# Altium PCB MainBoard_6_layers.PcbDoc (part 1 of 6) (continued)
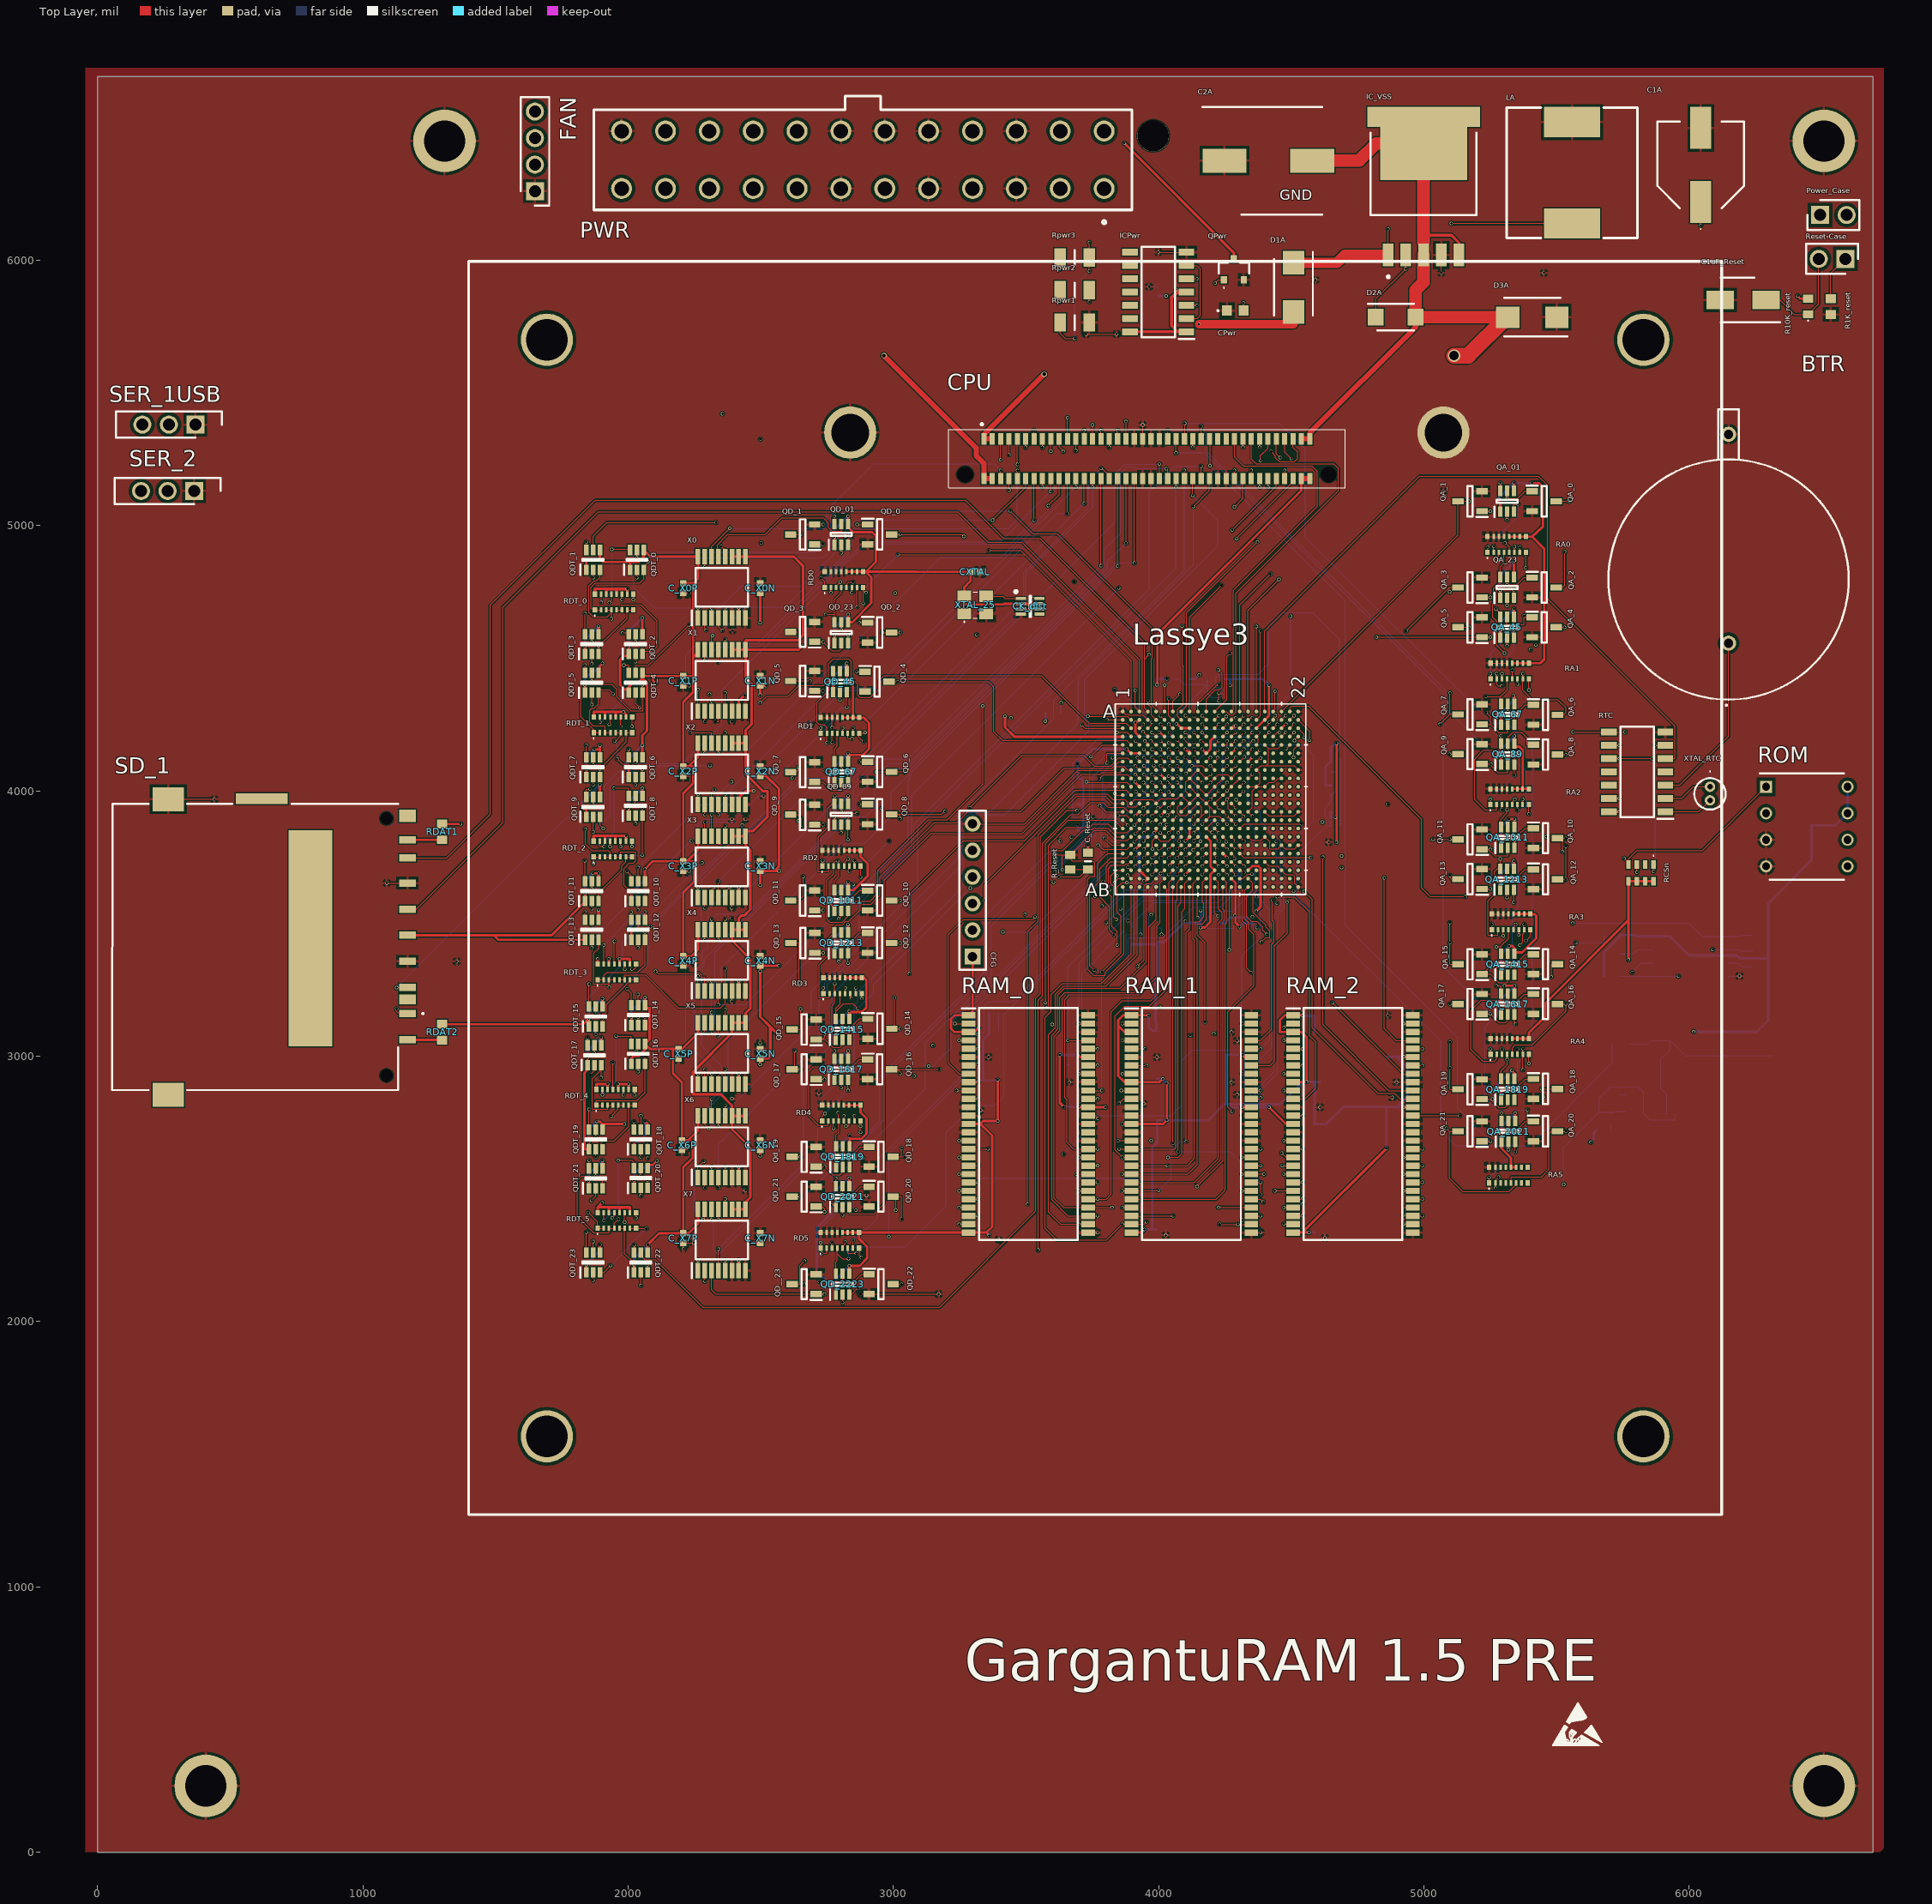
[diagram p0: Top Layer view]
## Components (designator, comment, footprint, x,y, rotation, side; value= is the part's Value field where it differs from the comment) (continued)
PWR "1-1775099-3" 1-1775099-3 2884.92,6568.3 r180 top
QA_0 "BSS159NH6327XTSA2" SOT95P260X110-3N 5453.66,5092.2 r0 top
QA_1 "BSS159NH6327XTSA2" SOT95P260X110-3N 5173.66,5092.2 r180 top
QA_01 "BSS84DWQ-7" SOT65P210X110-6N#1 5313.66,5092.2 r90 top
QA_2 "BSS159NH6327XTSA2" SOT95P260X110-3N 5453.66,4767.2 r0 top
QA_3 "BSS159NH6327XTSA2" SOT95P260X110-3N 5173.66,4767.2 r180 top
QA_4 "BSS159NH6327XTSA2" SOT95P260X110-3N 5453.66,4617.2 r0 top
QA_5 "BSS159NH6327XTSA2" SOT95P260X110-3N 5173.66,4617.2 r180 top
QA_6 "BSS159NH6327XTSA2" SOT95P260X110-3N 5458.66,4287.2 r0 top
QA_7 "BSS159NH6327XTSA2" SOT95P260X110-3N 5174.27,4288.8 r180 top
QA_8 "BSS159NH6327XTSA2" SOT95P260X110-3N 5458.66,4137.2 r0 top
QA_9 "BSS159NH6327XTSA2" SOT95P260X110-3N 5174.27,4139.03 r180 top
QA_10 "BSS159NH6327XTSA2" SOT95P260X110-3N 5458.66,3822.2 r0 top
QA_11 "BSS159NH6327XTSA2" SOT95P260X110-3N 5174.27,3817.83 r180 top
QA_12 "BSS159NH6327XTSA2" SOT95P260X110-3N 5458.66,3667.2 r0 top
QA_13 "BSS159NH6327XTSA2" SOT95P260X110-3N 5174.27,3668.05 r180 top
QA_14 "BSS159NH6327XTSA2" SOT95P260X110-3N 5458.66,3347.2 r0 top
QA_15 "BSS159NH6327XTSA2" SOT95P260X110-3N 5174.27,3346.85 r180 top
QA_16 "BSS159NH6327XTSA2" SOT95P260X110-3N 5458.66,3197.2 r0 top
QA_17 "BSS159NH6327XTSA2" SOT95P260X110-3N 5174.27,3197.08 r180 top
QA_18 "BSS159NH6327XTSA2" SOT95P260X110-3N 5458.66,2877.2 r0 top
QA_19 "BSS159NH6327XTSA2" SOT95P260X110-3N 5174.27,2875.88 r180 top
QA_20 "BSS159NH6327XTSA2" SOT95P260X110-3N 5458.66,2717.2 r0 top
QA_21 "BSS159NH6327XTSA2" SOT95P260X110-3N 5173.66,2717.2 r180 top
QA_23 "BSS84DWQ-7" SOT65P210X110-6N#1 5313.66,4767.2 r90 top
QA_45 "BSS84DWQ-7" SOT65P210X110-6N#1 5313.66,4617.2 r90 top
QA_67 "BSS84DWQ-7" SOT65P210X110-6N#1 5316.17,4288.8 r90 top
QA_89 "BSS84DWQ-7" SOT65P210X110-6N#1 5316.17,4139.03 r90 top
QA_1011 "BSS84DWQ-7" SOT65P210X110-6N#1 5316.17,3825 r90 top
QA_1213 "BSS84DWQ-7" SOT65P210X110-6N#1 5313.66,3667.2 r90 top
QA_1415 "BSS84DWQ-7" SOT65P210X110-6N#1 5316.17,3346.85 r90 top
QA_1617 "BSS84DWQ-7" SOT65P210X110-6N#1 5316.17,3197.08 r90 top
QA_1819 "BSS84DWQ-7" SOT65P210X110-6N#1 5316.17,2875.88 r90 top
QA_2021 "BSS84DWQ-7" SOT65P210X110-6N#1 5318.66,2717.2 r90 top
QD_0 "BSS159NH6327XTSA2" SOT95P260X110-3N 2948.66,4967.2 r0 top
QD_1 "BSS159NH6327XTSA2" SOT95P260X110-3N 2657.91,4967.12 r180 top
QD_01 "BSS84DWQ-7" SOT65P210X110-6N#1 2803.66,4967.2 r90 top
QD_2 "BSS159NH6327XTSA2" SOT95P260X110-3N 2948.66,4597.2 r0 top
QD_3 "BSS159NH6327XTSA2" SOT95P260X110-3N 2657.91,4599.87 r180 top
QD_4 "BSS159NH6327XTSA2" SOT95P260X110-3N 2938.66,4412.2 r0 top
QD_5 "BSS159NH6327XTSA2" SOT95P260X110-3N 2657.91,4415 r180 top
QD_6 "BSS159NH6327XTSA2" SOT95P260X110-3N 2948.66,4072.2 r0 top
QD_7 "BSS159NH6327XTSA2" SOT95P260X110-3N 2657.91,4071.37 r180 top
QD_8 "BSS159NH6327XTSA2" SOT95P260X110-3N 2948.66,3912.2 r0 top
QD_9 "BSS159NH6327XTSA2" SOT95P260X110-3N 2657.91,3910.74 r180 top
QD_10 "BSS159NH6327XTSA2" SOT95P260X110-3N 2948.66,3587.2 r0 top
QD_11 "BSS159NH6327XTSA2" SOT95P260X110-3N 2657.91,3587.4 r180 top
QD_12 "BSS159NH6327XTSA2" SOT95P260X110-3N 2948.39,3427.2 r0 top
QD_13 "BSS159NH6327XTSA2" SOT95P260X110-3N 2658.66,3427.2 r180 top
QD_14 "BSS159NH6327XTSA2" SOT95P260X110-3N 2948.94,3103.65 r0 top
QD_15 "BSS159NH6327XTSA2" SOT95P260X110-3N 2663.66,3101.05 r180 top
QD_16 "BSS159NH6327XTSA2" SOT95P260X110-3N 2948.66,2951.05 r0 top
QD_17 "BSS159NH6327XTSA2" SOT95P260X110-3N 2663.66,2951.05 r180 top
QD_18 "BSS159NH6327XTSA2" SOT95P260X110-3N 2953.66,2621.05 r0 top
Qd_19 "BSS159NH6327XTSA2" SOT95P260X110-3N 2663.66,2621.05 r180 top
QD_20 "BSS159NH6327XTSA2" SOT95P260X110-3N 2953.66,2471.05 r0 top
QD_21 "BSS159NH6327XTSA2" SOT95P260X110-3N 2663.66,2471.05 r180 top
QD_22 "BSS159NH6327XTSA2" SOT95P260X110-3N 2953.66,2141.05 r0 top
QD_23 "BSS84DWQ-7" SOT65P210X110-6N#1 2803.66,4597.2 r90 top
QD_45 "BSS84DWQ-7" SOT65P210X110-6N#1 2798.66,4412.2 r90 top
QD_67 "BSS84DWQ-7" SOT65P210X110-6N#1 2803.66,4072.2 r90 top
QD_89 "BSS84DWQ-7" SOT65P210X110-6N#1 2803.66,3912.2 r90 top
QD_1011 "BSS84DWQ-7" SOT65P210X110-6N#1 2803.66,3587.2 r90 top
QD_1213 "BSS84DWQ-7" SOT65P210X110-6N#1 2803.66,3427.2 r90 top
QD_1415 "BSS84DWQ-7" SOT65P210X110-6N#1 2808.07,3101.68 r90 top
QD_1617 "BSS84DWQ-7" SOT65P210X110-6N#1 2803.66,2951.05 r90 top
QD_1819 "BSS84DWQ-7" SOT65P210X110-6N#1 2809.25,2621.68 r90 top
QD_2021 "BSS84DWQ-7" SOT65P210X110-6N#1 2808.66,2471.05 r90 top
QD_2223 "BSS84DWQ-7" SOT65P210X110-6N#1 2808.66,2141.05 r90 top
QD__23 "BSS159NH6327XTSA2" SOT95P260X110-3N 2663.66,2141.05 r180 top
QDT_0 "BSS84DWQ-7" SOT65P210X110-6N#2 2032.91,4871.2 r90 top
QDT_1 "BSS84DWQ-7" SOT65P210X110-6N#2 1867.91,4871.2 r90 top
QDT_2 "BSS84DWQ-7" SOT65P210X110-6N#2 2027.91,4553.94 r90 top
QDT_3 "BSS84DWQ-7" SOT65P210X110-6N#2 1862.91,4553.94 r90 top
QDT_4 "BSS84DWQ-7" SOT65P210X110-6N#2 2027.91,4408.1 r90 top
QDT_5 "BSS84DWQ-7" SOT65P210X110-6N#2 1862.91,4408.1 r90 top
QDT_6 "BSS84DWQ-7" SOT65P210X110-6N#2 2027.91,4090 r90 top
QDT_7 "BSS84DWQ-7" SOT65P210X110-6N#2 1867.91,4090 r90 top
QDT_8 "BSS84DWQ-7" SOT65P210X110-6N#2 2027.91,3944.16 r90 top
QDT_9 "BSS84DWQ-7" SOT65P210X110-6N#2 1867.91,3940 r90 top
QDT_10 "BSS84DWQ-7" SOT65P210X110-6N#2 2037.91,3622.73 r90 top
QDT_11 "BSS84DWQ-7" SOT65P210X110-6N#2 1862.91,3622.73 r90 top
QDT_12 "BSS84DWQ-7" SOT65P210X110-6N#2 2037.91,3476.9 r90 top
QDT_13 "BSS84DWQ-7" SOT65P210X110-6N#2 1862.91,3476.9 r90 top
QDT_14 "BSS84DWQ-7" SOT65P210X110-6N#2 2037.91,3155 r90 top
QDT_15 "BSS84DWQ-7" SOT65P210X110-6N#2 1877.91,3150 r90 top
QDT_16 "BSS84DWQ-7" SOT65P210X110-6N#2 2037.91,3009.16 r90 top
QDT_17 "BSS84DWQ-7" SOT65P210X110-6N#2 1872.91,3004.16 r90 top
QDT_18 "BSS84DWQ-7" SOT65P210X110-6N#2 2047.91,2686.9 r90 top
QDT_19 "BSS84DWQ-7" SOT65P210X110-6N#2 1877.91,2686.9 r90 top
QDT_20 "BSS84DWQ-7" SOT65P210X110-6N#2 2047.91,2541.06 r90 top
QDT_21 "BSS84DWQ-7" SOT65P210X110-6N#2 1877.91,2540 r90 top
QDT_22 "BSS84DWQ-7" SOT65P210X110-6N#2 2047.91,2222.73 r90 top
QDT_23 "BSS84DWQ-7" SOT65P210X110-6N#2 1867.91,2222.73 r90 top
QPwr "MMBT3904,215" MMBT3904215 4283.66,5966.05 r0 top
R1K_reset "RCS06031K00FKEA" RESC1608X50N 6533.66,5826.05 r90 top
R10K_reset "RCS060310K0JNEA" RCS0603_E3 6448.66,5826.05 r90 top
R_CDONE "CRCW060310K0FKEB" RESC1608X50N 5708.66,3457.12 r180 bottom
R_CS "CRCW060310K0FKEB" RESC1608X50N 6268.74,3457.2 r0 bottom
R_CSI "CRCW060310K0FKEB" RESC1608X50N 3602.91,4292.39 r180 bottom
R_Hold "CRCW060310K0FKEB" RESC1608X50N 5708.74,3387.2 r180 bottom
R_MISO "CRCW060310K0FKEB" RESC1608X50N 6268.27,3397.2 r0 bottom
R_MOSI "CRCW060310K0FKEB" RESC1608X50N 5708.74,3302.2 r180 bottom
R_Reset "CRCW0603100KFKEAC" RESC1608X55N 3733.66,3735.62 r90 top
R_WP "CRCW060310K0FKEB" RESC1608X50N 6268.74,3337.2 r0 bottom
RA0 "EXB-2HV221JV" EXB2HV221JV 5312.13,4929.4 r0 top
RA1 "EXB-2HV221JV" EXB2HV221JV 5323.66,4452.2 r0 top
RA2 "EXB-2HV221JV" EXB2HV221JV 5323.39,3978.43 r0 top
RA3 "EXB-2HV221JV" EXB2HV221JV 5328.66,3507.2 r0 top
RA4 "EXB-2HV221JV" EXB2HV221JV 5323.66,3037.2 r0 top
RA5 "EXB-2HV221JV" EXB2HV221JV 5318.66,2552.2 r0 top
RAM_0 "IS42S16160G-7TL-TR" SOP80P1176X120-54N 3508.66,2745 r0 top
RAM_1 "IS42S16160G-7TL-TR" SOP80P1176X120-54N 4123.66,2745 r0 top
RAM_2 "IS42S16160G-7TL-TR" SOP80P1176X120-54N 4732.91,2745 r0 top
RCSn "CAT16A-1002F4LF" CAT16A1002F4LF 5818.66,3691.05 r180 top
RD0 "EXB-2HV221JV" EXB2HV221JV 2813.66,4797.2 r0 top
RD1 "EXB-2HV221JV" EXB2HV221JV 2798.66,4247.2 r0 top
RD2 "EXB-2HV221JV" EXB2HV221JV 2804.13,3746.72 r0 top
RD3 "EXB-2HV221JV" EXB2HV221JV 2808.5,3266.53 r0 top
RD4 "EXB-2HV221JV" EXB2HV221JV 2803.66,2786.05 r0 top
RD5 "EXB-2HV221JV" EXB2HV221JV 2798.19,2306.53 r0 top
RDAT1 "CRCW060310K0FKEC" RESC1608X50N 1298.66,3846.05 r90 top
RDAT2 "CRCW060310K0FKEC" RESC1608X50N 1298.66,3091.05 r90 top
RDT_0 "EXB-2HV751JV" EXB2HV221JV 1947.13,4712.57 r0 top
RDT_1 "EXB-2HV751JV" EXB2HV221JV 1942.91,4249.47 r0 top
RDT_2 "EXB-2HV751JV" EXB2HV221JV 1942.13,3781.37 r0 top
RDT_3 "EXB-2HV751JV" EXB2HV221JV 1957.44,3318.27 r0 top
RDT_4 "EXB-2HV751JV" EXB2HV221JV 1952.44,2845.53 r0 top
RDT_5 "EXB-2HV751JV" EXB2HV221JV 1957.44,2381.37 r0 top
Reset-Case "5-146277-2" HDRV2W67P0X254_1X2_467X234X823P 6588.66,6006.05 r180 top
Rk "CAT16A-1002F4LF" CAT16A1002F4LF 3947.91,3453.69 r0 bottom
ROM "25LC1024-I_P" DIP781W56P254L950H533Q8N 6443.66,3866.05 r0 top
Rpwr1 "CRS1206QFX-1002ELF" RESC3116X65N 3683.66,5766.05 r180 top (schematic designator RPwr1)
Rpwr2 "CRS1206-FX-1001ELF" RESC3116X65N 3683.66,5888.55 r180 top (schematic designator RPwr2)
Rpwr3 "CRS1206-FX-1001ELF" RESC3116X65N 3683.66,6011.05 r180 top (schematic designator RPwr3)
RTC "MCP795W20-I_SL" SOIC127P600X175-14N 5803.74,4072.2 r180 top
SD_1 "1010040575#" 1010040575 594.06,3412 r270 top
SER_1USB "22-28-5034" HDRV3W66P0X254_1X3_1016X249X1042P 368.66,5381.05 r180 top
SER_2 "22-28-5034" HDRV3W66P0X254_1X3_1016X249X1042P 363.66,5131.05 r180 top
X0 "CD74HC4053PWR" SOP65P640X120-16N 2352.91,4767.86 r90 top
X1 "CD74HC4053PWR" SOP65P640X120-16N 2352.91,4416.43 r90 top
X2 "CD74HC4053PWR" SOP65P640X120-16N 2352.91,4065.01 r90 top
X3 "CD74HC4053PWR" SOP65P640X120-16N 2352.91,3713.58 r90 top
X4 "CD74HC4053PWR" SOP65P640X120-16N 2352.91,3362.15 r90 top
X5 "CD74HC4053PWR" SOP65P640X120-16N 2352.91,3010.72 r90 top
X6 "CD74HC4053PWR" SOP65P640X120-16N 2352.91,2659.29 r90 top
X7 "CD74HC4053PWR" SOP65P640X120-16N 2352.91,2307.86 r90 top
XTAL_25 "ASE-20.000MHZ-E-T" ASE24576MHZLCT 3308.66,4701.05 r0 top
XTAL_RTC "830002995B" 830002995B 6078.66,4004.75 r270 top

## Footprints (in the part's own frame and the unit in brackets; to place one, negate y for a bottom-side part, rotate by r counter-clockwise, add the part's x,y. Pads: shape width x height; smd on the part's side, far side on the other; paste and mask are expansions set on the pad)
1-1775099-3 [mm]
  round 2 hole 1.4: 1(-23.1,7.55) 2(-23.1,2.05) 3(-18.9,7.55) 4(-18.9,2.05) 5(-14.7,7.55) 6(-14.7,2.05) 7(-10.5,7.55) 8(-10.5,2.05) 9(-6.3,7.55) 10(-6.3,2.05) 11(-2.1,7.55) 12(-2.1,2.05) 13(2.1,7.55) 14(2.1,2.05) 15(6.3,7.55) 16(6.3,2.05) 17(10.5,7.55) 18(10.5,2.05) 19(14.7,7.55) 20(14.7,2.05) 21(18.9,7.55) 22(18.9,2.05) 23(23.1,7.55) 24(23.1,2.05)
  round 3 hole 3 unplated: 25(-27.8,2.51)
  silkscreen extent -25.75,-1.3 25.75,10.94, body extent -28.72,-1.47 25.83,9.43, height 12.63
1066 [mm]
  round 1.446 / inner round 1.446 / far side round 2 hole 0.89: 1(0,0) 2(20,0)
  silkscreen extent -6,-11.5 22.4,11.5, body extent -2.52,-11.54 25.42,11.47, height 9.67
830002995B [mm]
  round 1 hole 0.53: 1(-0.287,0) 2(1.013,0)
  silkscreen extent -1.8,-1.5 1.9,1.5, body extent -1.09,-1.5 1.89,1.5, height 8.2
1010040575 [mm]
  rect 0.95x1.6 smd: CD1(5,14.575)
  rect 2.3x3 smd: CD2(14.15,-8.325) G1(-14.15,-8.325)
  round 0.6 hole 1.2 unplated: MH1(12.3,12.575) MH2(-12.3,12.575)
  rect 1x5 smd: MP1(-14.2,0.625)
  rect 20.7x4.2 smd: MP2(-0.85,5.275)
  rect 0.7x1.6 smd: P1(6.375,14.575) P2(3.875,14.575) P3(1.375,14.575) P4(-1.125,14.575) P5(-3.625,14.575) P6(-6.125,14.575) P7(-8.55,14.575) P8(-10.25,14.575) P9(8.875,14.575)
  rect 1.2x1.6 smd: WP1(-12.555,14.575)
  silkscreen extent -13.7,-13.7 13.7,16.1, body extent -14.65,-13.47 14.65,15.18, height 5.05
ASE24576MHZLCT [mm]
  rect 1.3x1.1 smd: 1(-1.05,-0.825) 2(1.05,-0.825) 3(1.05,0.825) 4(-1.05,0.825)
  silkscreen extent -1.6,-1.65 1.6,1.25, body extent -1.6,-1.25 1.6,1.25, height 1.2
BEADC0603X33N [mm]
  rect 0.55x0.4 smd: 1(-0.45,0) 2(0.45,0)
  silkscreen extent 0,-0.05 0,0.05, body extent -0.3,-0.15 0.3,0.15, height 0.33
C0603 [mm]
  rect 0.95x1 smd: 1(-0.8,0) 2(0.8,0)
  silkscreen extent -1.7,-0.05 -1.6,0.05, body extent -0.88,-0.48 0.89,0.47, height 0.87
CAPAE430X565N [mm]
  rect 2.65x1.8 smd: 1(-2.2,0) 2(2.2,0)
  silkscreen extent -3.53,-2.15 2.15,2.15, body extent -2.6,-2.25 2.6,2.25, height 5.66
CAPAE1030X1050N [mm]
  rect 4.2x2.3 smd: 1(-4.2,0) 2(4.2,0)
  silkscreen extent -6.3,-5.15 5.15,5.15, body extent -5.6,-5.25 5.6,5.25, height 10.5
CAPC1005X55N [mm]
  rect 0.6x0.62 smd: 1(-0.46,0) 2(0.46,0)
  body extent -0.5,-0.25 0.5,0.25, height 0.55
CAPC1608X90N [mm]
  rect 0.78x0.99 smd: 1(-0.7,0) 2(0.7,0)
  body extent -0.8,-0.41 0.8,0.41, height 0.9
CAPC2012X145N [mm]
  rect 1.14x1.57 smd: 1(-0.81,0) 2(0.81,0)
  body extent -1.17,-0.78 1.18,0.77, height 1.45
CAT16A1002F4LF [mm]
  rect 0.425x0.8 smd: 1(-1.2,-0.8) 2(-0.4,-0.8) 3(0.4,-0.8) 4(1.2,-0.8) 5(1.2,0.8) 6(0.4,0.8) 7(-0.4,0.8) 8(-1.2,0.8)
  silkscreen extent -1.25,-1.7 -1.15,-1.6, body extent -1.6,-1.16 1.6,1.16, height 0.75
DIOM5437X240N [mm]
  rect 2.25x2.05 smd: 1(-2.35,0) 2(2.35,0)
  silkscreen extent -3.38,-1.85 2.7,1.85, body extent -2.7,-1.85 2.7,1.85, height 2.4
DIP781W56P254L950H533Q8N [mm]
  rect 1.159x1.159 hole 0.759: 1(-3.905,3.81)
  round 1.159 hole 0.759: 2(-3.905,1.27) 3(-3.905,-1.27) 4(-3.905,-3.81) 5(3.905,-3.81) 6(3.905,-1.27) 7(3.905,1.27) 8(3.905,3.81)
  silkscreen extent -4.48,-5.08 3.56,5.08, body extent -4.05,-4.75 4.05,4.75, height 5.33
EEHZT1E331UP [mm]
  rect 4x2 smd: 1(-3.55,0) 2(3.55,0)
  silkscreen extent -6.18,-4.15 4.15,4.15, body extent -4.79,-4.15 4.91,4.15, height 10.2
ER880P08SV5H [mm]
  rect 0.5x1.1 smd: 1(-15.6,1.9) 2(-15.6,-1.9) 3(-14.8,1.9) 4(-14.8,-1.9) 5(-14,1.9) 6(-14,-1.9) 7(-13.2,1.9) 8(-13.2,-1.9) 9(-12.4,1.9) 10(-12.4,-1.9) 11(-11.6,1.9) 12(-11.6,-1.9) 13(-10.8,1.9) 14(-10.8,-1.9) 15(-10,1.9) 16(-10,-1.9) 17(-9.2,1.9) 18(-9.2,-1.9) 19(-8.4,1.9) 20(-8.4,-1.9) 21(-7.6,1.9) 22(-7.6,-1.9) 23(-6.8,1.9) 24(-6.8,-1.9) 25(-6,1.9) 26(-6,-1.9) 27(-5.2,1.9) 28(-5.2,-1.9) 29(-4.4,1.9) 30(-4.4,-1.9) 31(-3.6,1.9) 32(-3.6,-1.9) 33(-2.8,1.9) 34(-2.8,-1.9) 35(-2,1.9) 36(-2,-1.9) 37(-1.2,1.9) 38(-1.2,-1.9) 39(-0.4,1.9) 40(-0.4,-1.9) 41(0.4,1.9) 42(0.4,-1.9) 43(1.2,1.9) 44(1.2,-1.9) 45(2,1.9) 46(2,-1.9) 47(2.8,1.9) 48(2.8,-1.9) 49(3.6,1.9) 50(3.6,-1.9) 51(4.4,1.9) 52(4.4,-1.9) 53(5.2,1.9) 54(5.2,-1.9) 55(6,1.9) 56(6,-1.9) 57(6.8,1.9) 58(6.8,-1.9) 59(7.6,1.9) 60(7.6,-1.9) 61(8.4,1.9) 62(8.4,-1.9) 63(9.2,1.9) 64(9.2,-1.9) 65(10,1.9) 66(10,-1.9) 67(10.8,1.9) 68(10.8,-1.9) 69(11.6,1.9) 70(11.6,-1.9) 71(12.4,1.9) 72(12.4,-1.9) 73(13.2,1.9) 74(13.2,-1.9) 75(14,1.9) 76(14,-1.9) 77(14.8,1.9) 78(14.8,-1.9) 79(15.6,1.9) 80(15.6,-1.9)
  round 0.765 hole 1.53 unplated: 81(-17.4,-1.5) 82(17.4,-1.5)
  silkscreen extent -19,-2.8 19,3.4, body extent -19,-2.8 19,2.8, height 9.01
EXB2HV221JV [mm]
  rect 0.425x0.5 smd: 1(-1.838,-0.75) 8(1.838,-0.75) 9(1.838,0.75) 16(-1.838,0.75)
  rect 0.25x0.5 smd: 2(-1.25,-0.75) 3(-0.75,-0.75) 4(-0.25,-0.75) 5(0.25,-0.75) 6(0.75,-0.75) 7(1.25,-0.75) 10(1.25,0.75) 11(0.75,0.75) 12(0.25,0.75) 13(-0.25,0.75) 14(-0.75,0.75) 15(-1.25,0.75)
  silkscreen extent -1.9,-1.35 -1.8,-1.25, body extent -2.01,-0.97 2.01,0.97, height 0.65
FBGA484_TRION_EFI [mil]
  round 14 smd paste+0 mask+0: A1(-330.71,330.71) A2(-299.21,330.71) A3(-267.72,330.71) A4(-236.22,330.71) A5(-204.72,330.71) A6(-173.23,330.71) A7(-141.73,330.71) A8(-110.24,330.71) A9(-78.74,330.71) A10(-47.24,330.71) A11(-15.75,330.71) A12(15.75,330.71) A13(47.24,330.71) A14(78.74,330.71) A15(110.24,330.71) A16(141.73,330.71) A17(173.23,330.71) A18(204.72,330.71) A19(236.22,330.71) A20(267.72,330.71) A21(299.21,330.71) A22(330.71,330.71) AA1(-330.71,-299.21) AA2(-299.21,-299.21) AA3(-267.72,-299.21) AA4(-236.22,-299.21) AA5(-204.72,-299.21) AA6(-173.23,-299.21) AA7(-141.73,-299.21) AA8(-110.24,-299.21) AA9(-78.74,-299.21) AA10(-47.24,-299.21) AA11(-15.75,-299.21) AA12(15.75,-299.21) AA13(47.24,-299.21) AA14(78.74,-299.21) AA15(110.24,-299.21) AA16(141.73,-299.21) AA17(173.23,-299.21) AA18(204.72,-299.21) AA19(236.22,-299.21) AA20(267.72,-299.21) AA21(299.21,-299.21) AA22(330.71,-299.21) AB1(-330.71,-330.71) AB2(-299.21,-330.71) AB3(-267.72,-330.71) AB4(-236.22,-330.71) AB5(-204.72,-330.71) AB6(-173.23,-330.71) AB7(-141.73,-330.71) AB8(-110.24,-330.71) AB9(-78.74,-330.71) AB10(-47.24,-330.71) AB11(-15.75,-330.71) AB12(15.75,-330.71) AB13(47.24,-330.71) AB14(78.74,-330.71) AB15(110.24,-330.71) AB16(141.73,-330.71) AB17(173.23,-330.71) AB18(204.72,-330.71) AB19(236.22,-330.71) AB20(267.72,-330.71) AB21(299.21,-330.71) AB22(330.71,-330.71) B1(-330.71,299.21) B2(-299.21,299.21) B3(-267.72,299.21) B4(-236.22,299.21) B5(-204.72,299.21) B6(-173.23,299.21) B7(-141.73,299.21) B8(-110.24,299.21) B9(-78.74,299.21) B10(-47.24,299.21) B11(-15.75,299.21) B12(15.75,299.21) B13(47.24,299.21) B14(78.74,299.21) B15(110.24,299.21) B16(141.73,299.21) B17(173.23,299.21) B18(204.72,299.21) B19(236.22,299.21) B20(267.72,299.21) B21(299.21,299.21) B22(330.71,299.21) C1(-330.71,267.72) C2(-299.21,267.72) C3(-267.72,267.72) C4(-236.22,267.72) C5(-204.72,267.72) C6(-173.23,267.72) C7(-141.73,267.72) C8(-110.24,267.72) C9(-78.74,267.72) C10(-47.24,267.72) C11(-15.75,267.72) C12(15.75,267.72) C13(47.24,267.72) C14(78.74,267.72) C15(110.24,267.72) C16(141.73,267.72) C17(173.23,267.72) C18(204.72,267.72) C19(236.22,267.72) C20(267.72,267.72) C21(299.21,267.72) C22(330.71,267.72) D1(-330.71,236.22) D2(-299.21,236.22) D3(-267.72,236.22) D4(-236.22,236.22) D5(-204.72,236.22) D6(-173.23,236.22) D7(-141.73,236.22) D8(-110.24,236.22) D9(-78.74,236.22) D10(-47.24,236.22) D11(-15.75,236.22) D12(15.75,236.22) D13(47.24,236.22) D14(78.74,236.22) D15(110.24,236.22) D16(141.73,236.22) D17(173.23,236.22) D18(204.72,236.22) D19(236.22,236.22) D20(267.72,236.22) D21(299.21,236.22) D22(330.71,236.22) E1(-330.71,204.72) E2(-299.21,204.72) E3(-267.72,204.72) E4(-236.22,204.72) E5(-204.72,204.72) E6(-173.23,204.72) E7(-141.73,204.72) E8(-110.24,204.72) E9(-78.74,204.72) E10(-47.24,204.72) E11(-15.75,204.72) E12(15.75,204.72) E13(47.24,204.72) E14(78.74,204.72) E15(110.24,204.72) E16(141.73,204.72) E17(173.23,204.72) E18(204.72,204.72) E19(236.22,204.72) E20(267.72,204.72) E21(299.21,204.72) E22(330.71,204.72) F1(-330.71,173.23) F2(-299.21,173.23) F3(-267.72,173.23) F4(-236.22,173.23) F5(-204.72,173.23) F6(-173.23,173.23) F7(-141.73,173.23) F8(-110.24,173.23) F9(-78.74,173.23) F10(-47.24,173.23) F11(-15.75,173.23) F12(15.75,173.23) F13(47.24,173.23) F14(78.74,173.23) F15(110.24,173.23) F16(141.73,173.23) F17(173.23,173.23) F18(204.72,173.23) F19(236.22,173.23) F20(267.72,173.23) F21(299.21,173.23) F22(330.71,173.23) G1(-330.71,141.73) G2(-299.21,141.73) G3(-267.72,141.73) G4(-236.22,141.73) G5(-204.72,141.73) G6(-173.23,141.73) G7(-141.73,141.73) G8(-110.24,141.73) G9(-78.74,141.73) G10(-47.24,141.73) G11(-15.75,141.73) G12(15.75,141.73) G13(47.24,141.73) G14(78.74,141.73) G15(110.24,141.73) G16(141.73,141.73) G17(173.23,141.73) G18(204.72,141.73) G19(236.22,141.73) G20(267.72,141.73) G21(299.21,141.73) G22(330.71,141.73) H1(-330.71,110.24) H2(-299.21,110.24) H3(-267.72,110.24) H4(-236.22,110.24) H5(-204.72,110.24) H6(-173.23,110.24) H7(-141.73,110.24) H8(-110.24,110.24) H9(-78.74,110.24) H10(-47.24,110.24) H11(-15.75,110.24) H12(15.75,110.24) H13(47.24,110.24) H14(78.74,110.24) H15(110.24,110.24) H16(141.73,110.24) H17(173.23,110.24) H18(204.72,110.24) H19(236.22,110.24) H20(267.72,110.24) H21(299.21,110.24) H22(330.71,110.24) J1(-330.71,78.74) J2(-299.21,78.74) J3(-267.72,78.74) J4(-236.22,78.74) J5(-204.72,78.74) J6(-173.23,78.74) J7(-141.73,78.74) J8(-110.24,78.74) J9(-78.74,78.74) J10(-47.24,78.74) J11(-15.75,78.74) J12(15.75,78.74) J13(47.24,78.74) J14(78.74,78.74) J15(110.24,78.74) J16(141.73,78.74) J17(173.23,78.74) J18(204.72,78.74) J19(236.22,78.74) J20(267.72,78.74) J21(299.21,78.74) J22(330.71,78.74) K1(-330.71,47.24) K2(-299.21,47.24) K3(-267.72,47.24) K4(-236.22,47.24) K5(-204.72,47.24) K6(-173.23,47.24) K7(-141.73,47.24) K8(-110.24,47.24) K9(-78.74,47.24) K10(-47.24,47.24) K11(-15.75,47.24) K12(15.75,47.24) K13(47.24,47.24) K14(78.74,47.24) K15(110.24,47.24) K16(141.73,47.24) K17(173.23,47.24) K18(204.72,47.24) K19(236.22,47.24) K20(267.72,47.24) K21(299.21,47.24) K22(330.71,47.24) L1(-330.71,15.75) L2(-299.21,15.75) L3(-267.72,15.75) L4(-236.22,15.75) L5(-204.72,15.75) L6(-173.23,15.75) L7(-141.73,15.75) L8(-110.24,15.75) L9(-78.74,15.75) L10(-47.24,15.75) L11(-15.75,15.75) L12(15.75,15.75) L13(47.24,15.75) L14(78.74,15.75) L15(110.24,15.75) L16(141.73,15.75) L17(173.23,15.75) L18(204.72,15.75) L19(236.22,15.75) L20(267.72,15.75) L21(299.21,15.75) L22(330.71,15.75) M1(-330.71,-15.75) M2(-299.21,-15.75) M3(-267.72,-15.75) M4(-236.22,-15.75) M5(-204.72,-15.75) M6(-173.23,-15.75) M7(-141.73,-15.75) M8(-110.24,-15.75) M9(-78.74,-15.75) M10(-47.24,-15.75) M11(-15.75,-15.75) M12(15.75,-15.75) M13(47.24,-15.75) M14(78.74,-15.75) M15(110.24,-15.75) M16(141.73,-15.75) M17(173.23,-15.75) M18(204.72,-15.75) M19(236.22,-15.75) M20(267.72,-15.75) M21(299.21,-15.75) M22(330.71,-15.75) N1(-330.71,-47.24) N2(-299.21,-47.24) N3(-267.72,-47.24) N4(-236.22,-47.24) N5(-204.72,-47.24) N6(-173.23,-47.24) N7(-141.73,-47.24) N8(-110.24,-47.24) N9(-78.74,-47.24) N10(-47.24,-47.24) N11(-15.75,-47.24) N12(15.75,-47.24) N13(47.24,-47.24) N14(78.74,-47.24) N15(110.24,-47.24) N16(141.73,-47.24) N17(173.23,-47.24) N18(204.72,-47.24) N19(236.22,-47.24) N20(267.72,-47.24) N21(299.21,-47.24) N22(330.71,-47.24) P1(-330.71,-78.74) P2(-299.21,-78.74) P3(-267.72,-78.74) P4(-236.22,-78.74) P5(-204.72,-78.74) P6(-173.23,-78.74) P7(-141.73,-78.74) P8(-110.24,-78.74) P9(-78.74,-78.74) P10(-47.24,-78.74) P11(-15.75,-78.74) P12(15.75,-78.74) P13(47.24,-78.74) P14(78.74,-78.74) P15(110.24,-78.74) P16(141.73,-78.74) P17(173.23,-78.74) P18(204.72,-78.74) P19(236.22,-78.74) P20(267.72,-78.74) P21(299.21,-78.74) P22(330.71,-78.74) R1(-330.71,-110.24) R2(-299.21,-110.24) R3(-267.72,-110.24) R4(-236.22,-110.24) R5(-204.72,-110.24) R6(-173.23,-110.24) R7(-141.73,-110.24) R8(-110.24,-110.24) R9(-78.74,-110.24) R10(-47.24,-110.24) R11(-15.75,-110.24) R12(15.75,-110.24) R13(47.24,-110.24) R14(78.74,-110.24) R15(110.24,-110.24) R16(141.73,-110.24) R17(173.23,-110.24) R18(204.72,-110.24) R19(236.22,-110.24) R20(267.72,-110.24) R21(299.21,-110.24) R22(330.71,-110.24) T1(-330.71,-141.73) T2(-299.21,-141.73) T3(-267.72,-141.73) T4(-236.22,-141.73) T5(-204.72,-141.73) T6(-173.23,-141.73) T7(-141.73,-141.73) T8(-110.24,-141.73) T9(-78.74,-141.73) T10(-47.24,-141.73) T11(-15.75,-141.73) T12(15.75,-141.73) T13(47.24,-141.73) T14(78.74,-141.73) T15(110.24,-141.73) T16(141.73,-141.73) T17(173.23,-141.73) T18(204.72,-141.73) T19(236.22,-141.73) T20(267.72,-141.73) T21(299.21,-141.73) T22(330.71,-141.73) U1(-330.71,-173.23) U2(-299.21,-173.23) U3(-267.72,-173.23) U4(-236.22,-173.23) U5(-204.72,-173.23) U6(-173.23,-173.23) U7(-141.73,-173.23) U8(-110.24,-173.23) U9(-78.74,-173.23) U10(-47.24,-173.23) U11(-15.75,-173.23) U12(15.75,-173.23) U13(47.24,-173.23) U14(78.74,-173.23) U15(110.24,-173.23) U16(141.73,-173.23) U17(173.23,-173.23) U18(204.72,-173.23) U19(236.22,-173.23) U20(267.72,-173.23) U21(299.21,-173.23) U22(330.71,-173.23) V1(-330.71,-204.72) V2(-299.21,-204.72) V3(-267.72,-204.72) V4(-236.22,-204.72) V5(-204.72,-204.72) V6(-173.23,-204.72) V7(-141.73,-204.72) V8(-110.24,-204.72) V9(-78.74,-204.72) V10(-47.24,-204.72) V11(-15.75,-204.72) V12(15.75,-204.72) V13(47.24,-204.72) V14(78.74,-204.72) V15(110.24,-204.72) V16(141.73,-204.72) V17(173.23,-204.72) V18(204.72,-204.72) V19(236.22,-204.72) V20(267.72,-204.72) V21(299.21,-204.72) V22(330.71,-204.72) W1(-330.71,-236.22) W2(-299.21,-236.22) W3(-267.72,-236.22) W4(-236.22,-236.22) W5(-204.72,-236.22) W6(-173.23,-236.22) W7(-141.73,-236.22) W8(-110.24,-236.22) W9(-78.74,-236.22) W10(-47.24,-236.22) W11(-15.75,-236.22) W12(15.75,-236.22) W13(47.24,-236.22) W14(78.74,-236.22) W15(110.24,-236.22) W16(141.73,-236.22) W17(173.23,-236.22) W18(204.72,-236.22) W19(236.22,-236.22) W20(267.72,-236.22) W21(299.21,-236.22) W22(330.71,-236.22) Y1(-330.71,-267.72) Y2(-299.21,-267.72) Y3(-267.72,-267.72) Y4(-236.22,-267.72) Y5(-204.72,-267.72) Y6(-173.23,-267.72) Y7(-141.73,-267.72) Y8(-110.24,-267.72) Y9(-78.74,-267.72) Y10(-47.24,-267.72) Y11(-15.75,-267.72) Y12(15.75,-267.72) Y13(47.24,-267.72) Y14(78.74,-267.72) Y15(110.24,-267.72) Y16(141.73,-267.72) Y17(173.23,-267.72) Y18(204.72,-267.72) Y19(236.22,-267.72) Y20(267.72,-267.72) Y21(299.21,-267.72) Y22(330.71,-267.72)